# EAGLE board working (EAGLE 7.5.0), part 6 of 8 (continued)
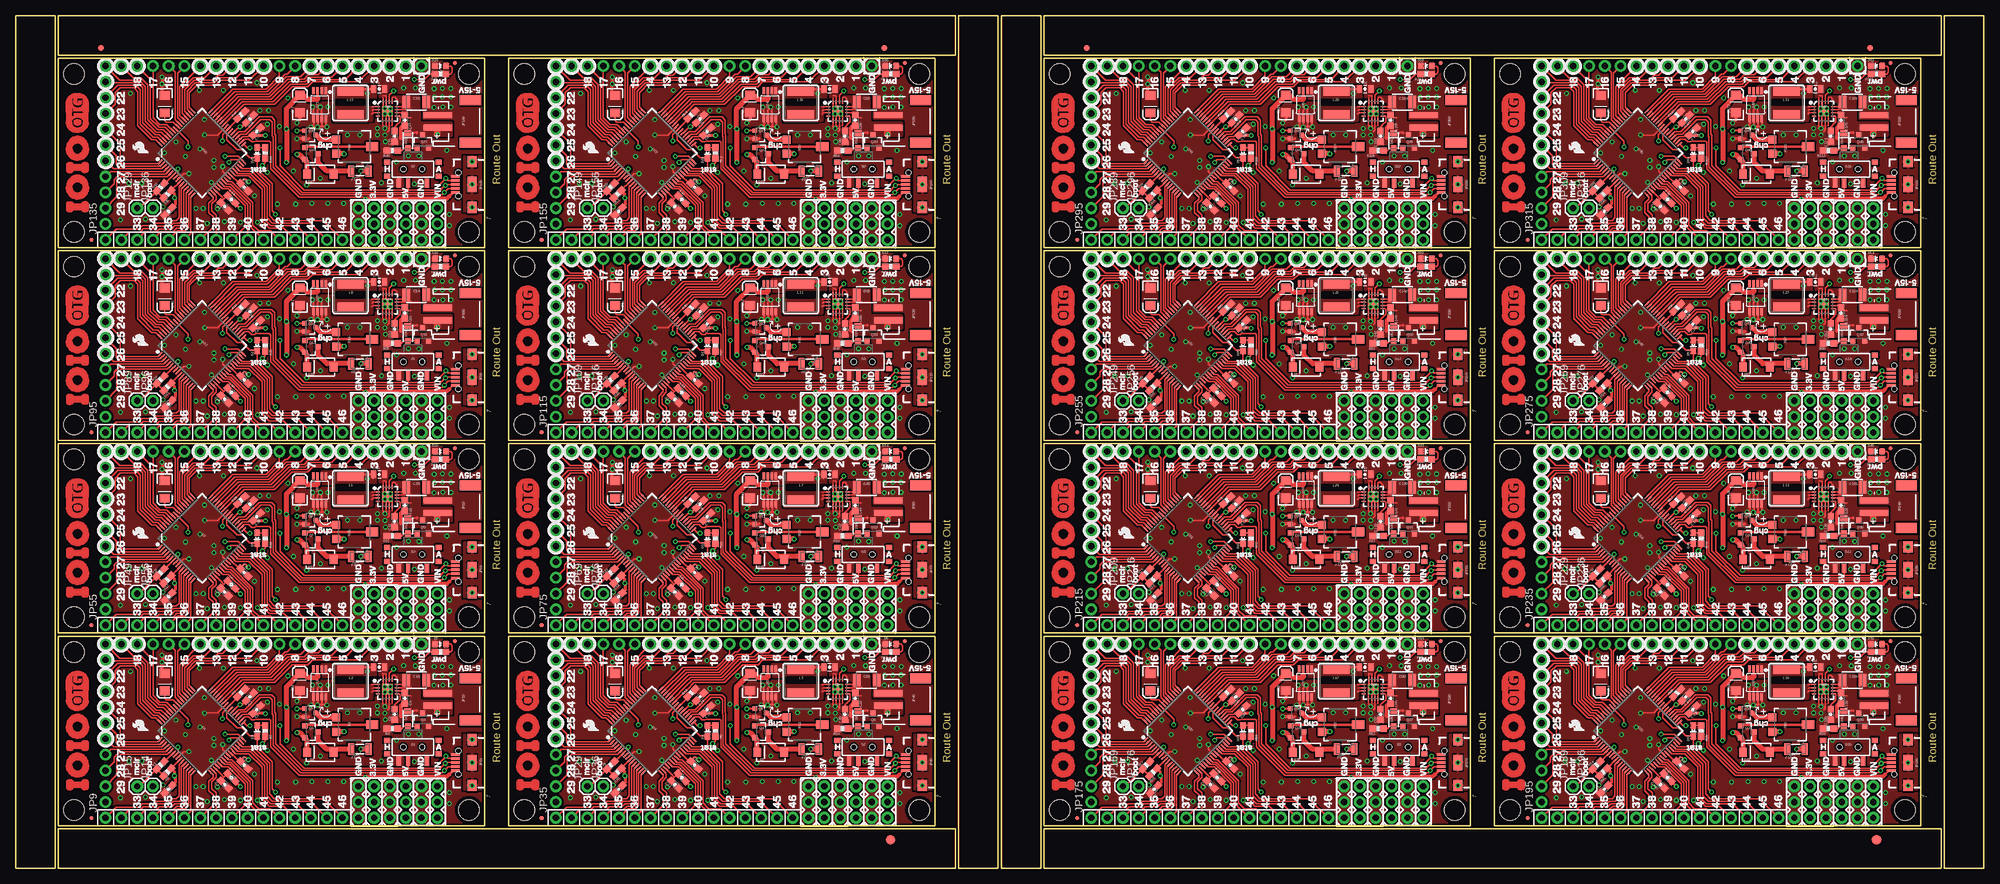
[diagram p0: board, top side]
## Tracks (layer width: path | path; a pad name or v marks a point on that pad's centre or on a via) (continued)
PIN142
  Top 0.203: U10.29 108.47,50.16 110.36,50.16 112.83,47.7 112.83,42.67 113.69,41.81 119.74,41.81 JP71.2
PIN143
  Top 0.203: U10.24 106.64,48.45 107.15,48.45 110.54,45.06 110.54,41.5 111.45,40.59 113.33,40.59 JP71.5
PIN144
  Top 0.203: U10.23 106.32,48.07 106.97,48.07 110.13,44.91 110.13,41.25 JP71.6
PIN145
  Top 0.203: U10.21 105.67,47.31 106.62,47.31 109.32,44.6 109.32,41.25 JP71.8
PIN146
  Top 0.203: U10.11 98.68,47.63 98.68,42.65 98.25,42.22 97.45,42.22 97.04,41.8 95,41.8 94.55,41.36 92.72,41.36 92.19,40.83 88.58,40.83 JP71.16
PIN147
  Top 0.203: U10.12 99.06,47.31 99.06,42.11 98.75,41.81 97.72,41.81 97.26,41.35 95.22,41.35 94.77,40.89 92.95,40.89 92.43,40.37 90.66,40.37 JP71.15
PIN148
  Top 0.203: U10.13 99.44,46.98 99.44,41.68 99.16,41.4 98.01,41.4 97.48,40.87 95.46,40.87 94.99,40.41 93.24,40.41 JP71.14
PIN149
  Top 0.203: U10.14 99.82,46.66 99.82,41.35 99.47,41 98.3,41 97.7,40.4 95.77,40.4 JP71.13
PIN150
  Top 0.203: U10.15 100.2,46.33 100.2,41.12 99.67,40.59 98.5,40.59 JP71.12
PIN151
  Top 0.203: U10.16 100.58,46.01 100.58,40.13 JP71.11
PIN152
  Top 0.203: JP72.9 114.81,65.48 112.67,63.35 107.32,63.35 U10.48
PIN153  (via drill 0.38 pad 0.64)
  Top 0.203: U10.8 98.53,49.6 v98.53,50.52
  Bottom 0.203: JP75.1 91.19,45.97 95.25,45.97 98.53,49.25 v98.53,50.52
PIN154
  Top 0.203: U10.6 96.81,49.3 89.38,49.3 88.7,48.62 88.7,46.02 JP75.2
PIN155
  Top 0.203: JP75.3 88.29,48.16 88.29,48.82 89.18,49.71 96.51,49.71 U10.5
PIN156
  Top 0.203: U10.4 96.21,50.11 87.71,50.11 JP75.4
PIN157
  Top 0.203: U10.17 104.14,46.01 104.14,45.67 103.48,45.01 103.48,43.48 104.14,42.82 104.14,41.15 JP71.10
PIN158
  Top 0.203: U10.18 104.52,46.33 104.62,46.23 104.62,45.59 103.96,44.93 103.96,43.79 104.65,43.1 JP71.9
PIN159
  Top 0.203: U10.22 105.99,47.69 106.79,47.69 109.73,44.76 JP71.7
PIN160
  Top 0.203: U10.27 107.32,49.9 107.82,49.4 109.91,49.4 112.01,47.3 112.01,42.16 113.18,41 115.47,41 JP71.4
PIN161
  Top 0.203: U10.28 108.14,49.78 110.13,49.78 112.42,47.5 112.42,42.37 113.39,41.4 117.6,41.4 JP71.3
PIN162
  Top 0.203: U10.30 108.79,50.55 110.59,50.55 113.23,47.9 113.23,42.98 114,42.22 121.87,42.22 JP71.1
PIN163
  Top 0.203: U10.47 107.62,62.94 112.88,62.94 115.72,65.79 116.08,65.79 JP72.8
PIN164
  Top 0.203: U10.59 96.43,57.25 95.45,57.25 94.08,58.62 94.08,64.92 JP72.18
PIN165
  Top 0.203: U10.58 96.73,57.66 95.61,57.66 94.49,58.78 JP72.17
PIN166
  Top 0.203: U10.3 95.91,50.52 88.16,50.52 JP75.5
PIN167
  Top 0.203: U10.2 95.61,50.93 88.92,50.93 88.59,51.26 88.59,52.63 JP75.6
PIN168
  Top 0.203: JP75.7 89.2,54.56 89.2,51.66 89.51,51.36 95.33,51.36 U10.1
PIN169
  Top 0.203: U10.64 94.92,55.22 94.31,55.22 92.05,57.48 92.05,62.94 91.44,63.55 89.2,63.55 88.39,62.74 88.39,60.96 JP75.8
PIN170
  Top 0.203: U10.63 95.23,55.63 94.55,55.63 92.46,57.72 92.46,63.25 91.75,63.96 88.85,63.96 JP75.9
PIN171
  Top 0.203: U10.62 95.53,56.03 94.82,56.03 92.86,57.99 92.86,63.55 92.05,64.36 87.02,64.36 JP75.10
PIN172
  Top 0.203: U10.61 95.83,56.44 95.02,56.44 93.27,58.19 93.27,63.76 92.26,64.77 89.15,64.77 JP75.11
PIN173
  Top 0.203: U10.60 96.13,56.84 95.26,56.84 93.67,58.43 93.67,64.03 92.53,65.18 91.29,65.18 JP72.19
PIN174
  Top 0.203: JP72.6 121.03,65.66 119.46,65.66 118.77,64.97 116.13,64.97 113.28,62.13 108.22,62.13 U10.45
PIN175
  Top 0.203: JP72.5 123.19,65.28 119.69,65.28 118.97,64.57 116.37,64.57 113.52,61.72 108.52,61.72 107.76,60.96 U10.44
PIN176
  Top 0.203: JP72.4 125.35,64.9 119.91,64.9 119.18,64.16 116.64,64.16 113.79,61.32 108.81,61.32 108.42,60.92 108.42,60.91 108.09,60.58 U10.43
PIN177
  Top 0.203: JP72.3 127.51,64.52 120.14,64.52 119.38,63.75 116.87,63.75 114.02,60.91 109.12,60.91 108.72,60.51 108.72,60.5 108.41,60.2 U10.42
PIN178
  Top 0.203: U10.55 98.04,58.47 98.04,66.04 JP72.16
PIN179
  Top 0.203: U10.54 98.42,58.79 98.42,65.91 JP72.15
PIN180
  Top 0.203: U10.53 98.81,59.12 98.81,63.75 JP72.14
PIN181
  Top 0.203: U10.51 99.57,59.77 99.57,63.22 101.11,64.77 104.14,64.77 104.95,65.58 105.72,65.58 JP72.12
PIN182
  Top 0.203: U10.50 99.95,60.09 99.95,63.02 101.3,64.36 104.34,64.36 105.16,65.18 107.85,65.18 JP72.11
PIN183
  Top 0.203: U10.49 100.33,60.42 100.33,62.8 100.88,63.35 100.89,63.35 101.5,63.96 104.55,63.96 105.36,64.77 109.98,64.77 JP72.10
PIN184
  Top 0.203: JP72.7 118.21,65.38 115.93,65.38 113.08,62.53 107.92,62.53 U10.46
PIN185  (via drill 0.38 pad 0.64)
  Top 0.203: U13.32 35.81,83.54 v33.68,83.54
  Bottom 0.203: v33.68,83.54 32.69,83.54 31.65,84.58 31.65,86.54 41.9,96.78 58.94,96.78 JP92.2
PIN186  (via drill 0.38 pad 0.64)
  Top 0.203: U13.31 35.69,82.96 34.67,82.96 v34.29,82.58
  Bottom 0.203: v34.29,82.58 34.7,82.98 34.7,83.87 34.29,84.28 32.56,84.28 32.05,84.78 32.05,86.31 42.15,96.4 61.1,96.4 JP92.1
PIN187
  Top 0.203: U13.52 26.8,90.43 26.8,94.42 28.55,96.16 30.38,96.16 JP92.13
PIN188
  Top 0.203: U13.29 36.08,81.15 37.97,81.15 40.44,78.69 40.44,73.66 41.3,72.8 47.35,72.8 JP91.2
PIN189
  Top 0.203: U13.24 34.25,79.44 34.76,79.44 38.15,76.05 38.15,72.49 39.06,71.58 40.95,71.58 JP91.5
PIN190
  Top 0.203: U13.23 33.93,79.06 34.58,79.06 37.74,75.89 37.74,72.24 JP91.6
PIN191
  Top 0.203: U13.21 33.28,78.3 34.23,78.3 36.93,75.59 36.93,72.24 JP91.8
PIN192
  Top 0.203: U13.11 26.29,78.62 26.29,73.64 25.86,73.2 25.06,73.2 24.65,72.79 22.61,72.79 22.16,72.35 20.33,72.35 19.8,71.82 16.2,71.82 JP91.16
PIN193
  Top 0.203: U13.12 26.67,78.3 26.67,73.1 26.36,72.8 25.33,72.8 24.87,72.33 22.84,72.33 22.38,71.88 20.56,71.88 20.04,71.36 18.27,71.36 JP91.15
PIN194
  Top 0.203: U13.13 27.05,77.97 27.05,72.67 26.77,72.39 25.62,72.39 25.09,71.86 23.07,71.86 22.6,71.4 20.85,71.4 JP91.14
PIN195
  Top 0.203: U13.14 27.43,77.64 27.43,72.34 27.08,71.98 25.91,71.98 25.31,71.38 23.38,71.38 JP91.13
PIN196
  Top 0.203: U13.15 27.81,77.32 27.81,72.11 27.28,71.58 26.11,71.58 JP91.12
PIN197
  Top 0.203: U13.16 28.19,76.99 28.19,71.12 JP91.11
PIN198
  Top 0.203: JP92.9 42.42,96.47 40.28,94.34 34.93,94.34 U13.48
PIN199  (via drill 0.38 pad 0.64)
  Top 0.203: U13.8 26.14,80.59 v26.14,81.51
  Bottom 0.203: JP95.1 18.8,76.96 22.86,76.96 26.14,80.24 v26.14,81.51
PIN200
  Top 0.203: U13.6 24.42,80.29 16.99,80.29 16.31,79.6 16.31,77.01 JP95.2
PIN201
  Top 0.203: JP95.3 15.9,79.15 15.9,79.81 16.79,80.7 24.12,80.7 U13.5
PIN202
  Top 0.203: U13.4 23.82,81.1 15.32,81.1 JP95.4
PIN203
  Top 0.203: U13.17 31.75,76.99 31.75,76.66 31.09,76 31.09,74.47 31.75,73.81 31.75,72.14 JP91.10
PIN204
  Top 0.203: U13.18 32.13,77.32 32.23,77.22 32.23,76.58 31.57,75.92 31.57,74.78 32.26,74.09 JP91.9
PIN205
  Top 0.203: U13.22 33.6,78.68 34.4,78.68 37.34,75.74 JP91.7
PIN206
  Top 0.203: U13.27 34.93,80.89 35.43,80.39 37.52,80.39 39.62,78.28 39.62,73.15 40.79,71.98 43.08,71.98 JP91.4
PIN207
  Top 0.203: U13.28 35.75,80.77 37.74,80.77 40.03,78.49 40.03,73.36 41,72.39 45.21,72.39 JP91.3
PIN208
  Top 0.203: U13.30 36.4,81.53 38.2,81.53 40.84,78.89 40.84,73.97 41.6,73.2 49.48,73.2 JP91.1
PIN209
  Top 0.203: U13.47 35.23,93.93 40.49,93.93 43.33,96.77 43.69,96.77 JP92.8
PIN210
  Top 0.203: U13.59 24.04,88.24 23.06,88.24 21.69,89.61 21.69,95.91 JP92.18
PIN211
  Top 0.203: U13.58 24.34,88.65 23.22,88.65 22.1,89.76 JP92.17
PIN212
  Top 0.203: U13.3 23.52,81.51 15.77,81.51 JP95.5
PIN213
  Top 0.203: U13.2 23.22,81.92 16.54,81.92 16.2,82.25 16.2,83.62 JP95.6
PIN214
  Top 0.203: JP95.7 16.82,85.55 16.82,82.65 17.12,82.35 22.94,82.35 U13.1
PIN215
  Top 0.203: U13.64 22.54,86.21 21.91,86.21 19.66,88.46 19.66,93.93 19.05,94.54 16.82,94.54 16,93.73 16,91.95 JP95.8
PIN216
  Top 0.203: U13.63 22.84,86.61 22.16,86.61 20.07,88.71 20.07,94.23 19.36,94.94 16.46,94.94 JP95.9
PIN217
  Top 0.203: U13.62 23.14,87.02 22.43,87.02 20.47,88.97 20.47,94.54 19.66,95.35 14.63,95.35 JP95.10
PIN218
  Top 0.203: U13.61 23.44,87.43 22.63,87.43 20.88,89.17 20.88,94.75 19.87,95.76 16.76,95.76 JP95.11
PIN219
  Top 0.203: U13.60 23.74,87.83 22.87,87.83 21.29,89.41 21.29,95.02 20.14,96.16 18.9,96.16 JP92.19
PIN220
  Top 0.203: JP92.6 48.64,96.65 47.07,96.65 46.38,95.96 43.74,95.96 40.89,93.12 35.83,93.12 U13.45
PIN221
  Top 0.203: JP92.5 50.8,96.27 47.3,96.27 46.58,95.56 43.98,95.56 41.13,92.71 36.13,92.71 35.37,91.95 U13.44
PIN222
  Top 0.203: JP92.4 52.96,95.89 47.52,95.89 46.79,95.15 44.25,95.15 41.4,92.3 36.42,92.3 36.03,91.91 36.03,91.9 35.7,91.57 U13.43
PIN223
  Top 0.203: JP92.3 55.12,95.5 47.75,95.5 46.99,94.74 44.48,94.74 41.63,91.9 36.73,91.9 36.33,91.5 36.33,91.49 36.02,91.19 U13.42
PIN224
  Top 0.203: U13.55 25.65,89.45 25.65,97.03 JP92.16
PIN225
  Top 0.203: U13.54 26.04,89.78 26.04,96.9 JP92.15
PIN226
  Top 0.203: U13.53 26.42,90.11 26.42,94.74 JP92.14
PIN227
  Top 0.203: U13.51 27.18,90.76 27.18,94.21 28.72,95.76 31.75,95.76 32.56,96.57 33.33,96.57 JP92.12
PIN228
  Top 0.203: U13.50 27.56,91.08 27.56,94 28.91,95.35 31.95,95.35 32.77,96.16 35.46,96.16 JP92.11
PIN229
  Top 0.203: U13.49 27.94,91.41 27.94,93.79 28.49,94.34 28.5,94.34 29.11,94.94 32.16,94.94 32.97,95.76 37.59,95.76 JP92.10
PIN230
  Top 0.203: JP92.7 45.82,96.37 43.54,96.37 40.69,93.52 35.53,93.52 U13.46
PIN231  (via drill 0.38 pad 0.64)
  Top 0.203: U16.32 108.2,83.54 v106.07,83.54
  Bottom 0.203: v106.07,83.54 105.08,83.54 104.04,84.58 104.04,86.54 114.28,96.78 131.33,96.78 JP112.2
PIN232  (via drill 0.38 pad 0.64)
  Top 0.203: U16.31 108.08,82.96 107.06,82.96 v106.68,82.58
  Bottom 0.203: v106.68,82.58 107.09,82.98 107.09,83.87 106.68,84.28 104.95,84.28 104.44,84.78 104.44,86.31 114.54,96.4 133.49,96.4 JP112.1
PIN233
  Top 0.203: U16.52 99.19,90.43 99.19,94.42 100.94,96.16 102.77,96.16 JP112.13
PIN234
  Top 0.203: U16.29 108.47,81.15 110.36,81.15 112.83,78.69 112.83,73.66 113.69,72.8 119.74,72.8 JP111.2
PIN235
  Top 0.203: U16.24 106.64,79.44 107.15,79.44 110.54,76.05 110.54,72.49 111.45,71.58 113.33,71.58 JP111.5
PIN236
  Top 0.203: U16.23 106.32,79.06 106.97,79.06 110.13,75.89 110.13,72.24 JP111.6
PIN237
  Top 0.203: U16.21 105.67,78.3 106.62,78.3 109.32,75.59 109.32,72.24 JP111.8
PIN238
  Top 0.203: U16.11 98.68,78.62 98.68,73.64 98.25,73.2 97.45,73.2 97.04,72.79 95,72.79 94.55,72.35 92.72,72.35 92.19,71.82 88.58,71.82 JP111.16
PIN239
  Top 0.203: U16.12 99.06,78.3 99.06,73.1 98.75,72.8 97.72,72.8 97.26,72.33 95.22,72.33 94.77,71.88 92.95,71.88 92.43,71.36 90.66,71.36 JP111.15
PIN240
  Top 0.203: U16.13 99.44,77.97 99.44,72.67 99.16,72.39 98.01,72.39 97.48,71.86 95.46,71.86 94.99,71.4 93.24,71.4 JP111.14
PIN241
  Top 0.203: U16.14 99.82,77.64 99.82,72.34 99.47,71.98 98.3,71.98 97.7,71.38 95.77,71.38 JP111.13
PIN242
  Top 0.203: U16.15 100.2,77.32 100.2,72.11 99.67,71.58 98.5,71.58 JP111.12
PIN243
  Top 0.203: U16.16 100.58,76.99 100.58,71.12 JP111.11
PIN244
  Top 0.203: JP112.9 114.81,96.47 112.67,94.34 107.32,94.34 U16.48
PIN245  (via drill 0.38 pad 0.64)
  Top 0.203: U16.8 98.53,80.59 v98.53,81.51
  Bottom 0.203: JP115.1 91.19,76.96 95.25,76.96 98.53,80.24 v98.53,81.51
PIN246
  Top 0.203: U16.6 96.81,80.29 89.38,80.29 88.7,79.6 88.7,77.01 JP115.2
PIN247
  Top 0.203: JP115.3 88.29,79.15 88.29,79.81 89.18,80.7 96.51,80.7 U16.5
PIN248
  Top 0.203: U16.4 96.21,81.1 87.71,81.1 JP115.4
PIN249
  Top 0.203: U16.17 104.14,76.99 104.14,76.66 103.48,76 103.48,74.47 104.14,73.81 104.14,72.14 JP111.10
PIN250
  Top 0.203: U16.18 104.52,77.32 104.62,77.22 104.62,76.58 103.96,75.92 103.96,74.78 104.65,74.09 JP111.9
PIN251
  Top 0.203: U16.22 105.99,78.68 106.79,78.68 109.73,75.74 JP111.7
PIN252
  Top 0.203: U16.27 107.32,80.89 107.82,80.39 109.91,80.39 112.01,78.28 112.01,73.15 113.18,71.98 115.47,71.98 JP111.4
PIN253
  Top 0.203: U16.28 108.14,80.77 110.13,80.77 112.42,78.49 112.42,73.36 113.39,72.39 117.6,72.39 JP111.3
PIN254
  Top 0.203: U16.30 108.79,81.53 110.59,81.53 113.23,78.89 113.23,73.97 114,73.2 121.87,73.2 JP111.1
PIN255
  Top 0.203: U16.47 107.62,93.93 112.88,93.93 115.72,96.77 116.08,96.77 JP112.8
PIN256
  Top 0.203: U16.59 96.43,88.24 95.45,88.24 94.08,89.61 94.08,95.91 JP112.18
PIN257
  Top 0.203: U16.58 96.73,88.65 95.61,88.65 94.49,89.76 JP112.17
PIN258
  Top 0.203: U16.3 95.91,81.51 88.16,81.51 JP115.5
PIN259
  Top 0.203: U16.2 95.61,81.92 88.92,81.92 88.59,82.25 88.59,83.62 JP115.6
PIN260
  Top 0.203: JP115.7 89.2,85.55 89.2,82.65 89.51,82.35 95.33,82.35 U16.1
PIN261
  Top 0.203: U16.64 94.92,86.21 94.31,86.21 92.05,88.46 92.05,93.93 91.44,94.54 89.2,94.54 88.39,93.73 88.39,91.95 JP115.8
PIN262
  Top 0.203: U16.63 95.23,86.61 94.55,86.61 92.46,88.71 92.46,94.23 91.75,94.94 88.85,94.94 JP115.9
PIN263
  Top 0.203: U16.62 95.53,87.02 94.82,87.02 92.86,88.97 92.86,94.54 92.05,95.35 87.02,95.35 JP115.10
PIN264
  Top 0.203: U16.61 95.83,87.43 95.02,87.43 93.27,89.17 93.27,94.75 92.26,95.76 89.15,95.76 JP115.11
PIN265
  Top 0.203: U16.60 96.13,87.83 95.26,87.83 93.67,89.41 93.67,95.02 92.53,96.16 91.29,96.16 JP112.19
PIN266
  Top 0.203: JP112.6 121.03,96.65 119.46,96.65 118.77,95.96 116.13,95.96 113.28,93.12 108.22,93.12 U16.45
PIN267
  Top 0.203: JP112.5 123.19,96.27 119.69,96.27 118.97,95.56 116.37,95.56 113.52,92.71 108.52,92.71 107.76,91.95 U16.44
PIN268
  Top 0.203: JP112.4 125.35,95.89 119.91,95.89 119.18,95.15 116.64,95.15 113.79,92.3 108.81,92.3 108.42,91.91 108.42,91.9 108.09,91.57 U16.43
PIN269
  Top 0.203: JP112.3 127.51,95.5 120.14,95.5 119.38,94.74 116.87,94.74 114.02,91.9 109.12,91.9 108.72,91.5 108.72,91.49 108.41,91.19 U16.42
PIN270
  Top 0.203: U16.55 98.04,89.45 98.04,97.03 JP112.16
PIN271
  Top 0.203: U16.54 98.42,89.78 98.42,96.9 JP112.15
PIN272
  Top 0.203: U16.53 98.81,90.11 98.81,94.74 JP112.14
PIN273
  Top 0.203: U16.51 99.57,90.76 99.57,94.21 101.11,95.76 104.14,95.76 104.95,96.57 105.72,96.57 JP112.12
PIN274
  Top 0.203: U16.50 99.95,91.08 99.95,94 101.3,95.35 104.34,95.35 105.16,96.16 107.85,96.16 JP112.11
PIN275
  Top 0.203: U16.49 100.33,91.41 100.33,93.79 100.88,94.34 100.89,94.34 101.5,94.94 104.55,94.94 105.36,95.76 109.98,95.76 JP112.10
PIN276
  Top 0.203: JP112.7 118.21,96.37 115.93,96.37 113.08,93.52 107.92,93.52 U16.46
PIN277  (via drill 0.38 pad 0.64)
  Top 0.203: U19.32 35.81,114.53 v33.68,114.53
  Bottom 0.203: v33.68,114.53 32.69,114.53 31.65,115.57 31.65,117.53 41.9,127.77 58.94,127.77 JP132.2
PIN278  (via drill 0.38 pad 0.64)
  Top 0.203: U19.31 35.69,113.94 34.67,113.94 v34.29,113.56
  Bottom 0.203: v34.29,113.56 34.7,113.97 34.7,114.86 34.29,115.27 32.56,115.27 32.05,115.77 32.05,117.3 42.15,127.39 61.1,127.39 JP132.1
PIN279
  Top 0.203: U19.52 26.8,121.42 26.8,125.4 28.55,127.15 30.38,127.15 JP132.13
PIN280
  Top 0.203: U19.29 36.08,112.14 37.97,112.14 40.44,109.68 40.44,104.65 41.3,103.78 47.35,103.78 JP131.2
PIN281
  Top 0.203: U19.24 34.25,110.43 34.76,110.43 38.15,107.04 38.15,103.48 39.06,102.56 40.95,102.56 JP131.5
PIN282
  Top 0.203: U19.23 33.93,110.05 34.58,110.05 37.74,106.88 37.74,103.23 JP131.6
PIN283
  Top 0.203: U19.21 33.28,109.28 34.23,109.28 36.93,106.58 36.93,103.23 JP131.8
PIN284
  Top 0.203: U19.11 26.29,109.61 26.29,104.62 25.86,104.19 25.06,104.19 24.65,103.78 22.61,103.78 22.16,103.33 20.33,103.33 19.8,102.81 16.2,102.81 JP131.16
PIN285
  Top 0.203: U19.12 26.67,109.28 26.67,104.09 26.36,103.78 25.33,103.78 24.87,103.32 22.84,103.32 22.38,102.86 20.56,102.86 20.04,102.34 18.27,102.34 JP131.15
PIN286
  Top 0.203: U19.13 27.05,108.96 27.05,103.66 26.77,103.38 25.62,103.38 25.09,102.85 23.07,102.85 22.6,102.39 20.85,102.39 JP131.14
PIN287
  Top 0.203: U19.14 27.43,108.63 27.43,103.33 27.08,102.97 25.91,102.97 25.31,102.37 23.38,102.37 JP131.13
PIN288
  Top 0.203: U19.15 27.81,108.31 27.81,103.1 27.28,102.56 26.11,102.56 JP131.12
PIN289
  Top 0.203: U19.16 28.19,107.98 28.19,102.11 JP131.11
PIN290
  Top 0.203: JP132.9 42.42,127.46 40.28,125.32 34.93,125.32 U19.48
PIN291  (via drill 0.38 pad 0.64)
  Top 0.203: U19.8 26.14,111.58 v26.14,112.5
  Bottom 0.203: JP135.1 18.8,107.95 22.86,107.95 26.14,111.23 v26.14,112.5
PIN292
  Top 0.203: U19.6 24.42,111.28 16.99,111.28 16.31,110.59 16.31,108 JP135.2
PIN293
  Top 0.203: JP135.3 15.9,110.13 15.9,110.8 16.79,111.68 24.12,111.68 U19.5
PIN294
  Top 0.203: U19.4 23.82,112.09 15.32,112.09 JP135.4
PIN295
  Top 0.203: U19.17 31.75,107.98 31.75,107.64 31.09,106.98 31.09,105.46 31.75,104.8 31.75,103.12 JP131.10
PIN296
  Top 0.203: U19.18 32.13,108.31 32.23,108.2 32.23,107.57 31.57,106.91 31.57,105.77 32.26,105.08 JP131.9
PIN297
  Top 0.203: U19.22 33.6,109.67 34.4,109.67 37.34,106.73 JP131.7
PIN298
  Top 0.203: U19.27 34.93,111.88 35.43,111.38 37.52,111.38 39.62,109.27 39.62,104.14 40.79,102.97 43.08,102.97 JP131.4
PIN299
  Top 0.203: U19.28 35.75,111.76 37.74,111.76 40.03,109.47 40.03,104.34 41,103.38 45.21,103.38 JP131.3
PIN300
  Top 0.203: U19.30 36.4,112.52 38.2,112.52 40.84,109.88 40.84,104.95 41.6,104.19 49.48,104.19 JP131.1
PIN301
  Top 0.203: U19.47 35.23,124.92 40.49,124.92 43.33,127.76 43.69,127.76 JP132.8
PIN302
  Top 0.203: U19.59 24.04,119.23 23.06,119.23 21.69,120.59 21.69,126.9 JP132.18
PIN303
  Top 0.203: U19.58 24.34,119.63 23.22,119.63 22.1,120.75 JP132.17
PIN304
  Top 0.203: U19.3 23.52,112.5 15.77,112.5 JP135.5
PIN305
  Top 0.203: U19.2 23.22,112.9 16.54,112.9 16.2,113.23 16.2,114.61 JP135.6
PIN306
  Top 0.203: JP135.7 16.82,116.53 16.82,113.64 17.12,113.33 22.94,113.33 U19.1
PIN307
  Top 0.203: U19.64 22.54,117.2 21.91,117.2 19.66,119.45 19.66,124.92 19.05,125.53 16.82,125.53 16,124.71 16,122.94 JP135.8
PIN308
  Top 0.203: U19.63 22.84,117.6 22.16,117.6 20.07,119.69 20.07,125.22 19.36,125.93 16.46,125.93 JP135.9
PIN309
  Top 0.203: U19.62 23.14,118.01 22.43,118.01 20.47,119.96 20.47,125.53 19.66,126.34 14.63,126.34 JP135.10
PIN310
  Top 0.203: U19.61 23.44,118.42 22.63,118.42 20.88,120.16 20.88,125.74 19.87,126.75 16.76,126.75 JP135.11
PIN311
  Top 0.203: U19.60 23.74,118.82 22.87,118.82 21.29,120.4 21.29,126 20.14,127.15 18.9,127.15 JP132.19
PIN312
  Top 0.203: JP132.6 48.64,127.64 47.07,127.64 46.38,126.95 43.74,126.95 40.89,124.1 35.83,124.1 U19.45
PIN313
  Top 0.203: JP132.5 50.8,127.25 47.3,127.25 46.58,126.54 43.98,126.54 41.13,123.7 36.13,123.7 35.37,122.94 U19.44
PIN314
  Top 0.203: JP132.4 52.96,126.87 47.52,126.87 46.79,126.14 44.25,126.14 41.4,123.29 36.42,123.29 36.03,122.89 35.7,122.56 U19.43
PIN315
  Top 0.203: JP132.3 55.12,126.49 47.75,126.49 46.99,125.73 44.48,125.73 41.63,122.89 36.73,122.89 36.33,122.48 36.02,122.17 U19.42
PIN316
  Top 0.203: U19.55 25.65,120.44 25.65,128.02 JP132.16
PIN317
  Top 0.203: U19.54 26.04,120.77 26.04,127.89 JP132.15
PIN318
  Top 0.203: U19.53 26.42,121.09 26.42,125.73 JP132.14
PIN319
  Top 0.203: U19.51 27.18,121.75 27.18,125.2 28.72,126.75 31.75,126.75 32.56,127.56 33.33,127.56 JP132.12
PIN320
  Top 0.203: U19.50 27.56,122.07 27.56,124.99 28.91,126.34 31.95,126.34 32.77,127.15 35.46,127.15 JP132.11
PIN321
  Top 0.203: U19.49 27.94,122.4 27.94,124.77 28.49,125.32 28.5,125.32 29.11,125.93 32.16,125.93 32.97,126.75 37.59,126.75 JP132.10
PIN322
  Top 0.203: JP132.7 45.82,127.36 43.54,127.36 40.69,124.51 35.53,124.51 U19.46
PIN323  (via drill 0.38 pad 0.64)
  Top 0.203: U22.32 108.2,114.53 v106.07,114.53
  Bottom 0.203: v106.07,114.53 105.08,114.53 104.04,115.57 104.04,117.53 114.28,127.77 131.33,127.77 JP152.2
PIN324  (via drill 0.38 pad 0.64)
  Top 0.203: U22.31 108.08,113.94 107.06,113.94 v106.68,113.56
  Bottom 0.203: v106.68,113.56 107.09,113.97 107.09,114.86 106.68,115.27 104.95,115.27 104.44,115.77 104.44,117.3 114.54,127.39 133.49,127.39 JP152.1
PIN325
  Top 0.203: U22.52 99.19,121.42 99.19,125.4 100.94,127.15 102.77,127.15 JP152.13
PIN326
  Top 0.203: U22.29 108.47,112.14 110.36,112.14 112.83,109.68 112.83,104.65 113.69,103.78 119.74,103.78 JP151.2
PIN327
  Top 0.203: U22.24 106.64,110.43 107.15,110.43 110.54,107.04 110.54,103.48 111.45,102.56 113.33,102.56 JP151.5
PIN328
  Top 0.203: U22.23 106.32,110.05 106.97,110.05 110.13,106.88 110.13,103.23 JP151.6
PIN329
  Top 0.203: U22.21 105.67,109.28 106.62,109.28 109.32,106.58 109.32,103.23 JP151.8
PIN330
  Top 0.203: U22.11 98.68,109.61 98.68,104.62 98.25,104.19 97.45,104.19 97.04,103.78 95,103.78 94.55,103.33 92.72,103.33 92.19,102.81 88.58,102.81 JP151.16
PIN331
  Top 0.203: U22.12 99.06,109.28 99.06,104.09 98.75,103.78 97.72,103.78 97.26,103.32 95.22,103.32 94.77,102.86 92.95,102.86 92.43,102.34 90.66,102.34 JP151.15
PIN332
  Top 0.203: U22.13 99.44,108.96 99.44,103.66 99.16,103.38 98.01,103.38 97.48,102.85 95.46,102.85 94.99,102.39 93.24,102.39 JP151.14
PIN333
  Top 0.203: U22.14 99.82,108.63 99.82,103.33 99.47,102.97 98.3,102.97 97.7,102.37 95.77,102.37 JP151.13
PIN334
  Top 0.203: U22.15 100.2,108.31 100.2,103.1 99.67,102.56 98.5,102.56 JP151.12
PIN335
  Top 0.203: U22.16 100.58,107.98 100.58,102.11 JP151.11
PIN336
  Top 0.203: JP152.9 114.81,127.46 112.67,125.32 107.32,125.32 U22.48
PIN337  (via drill 0.38 pad 0.64)
  Top 0.203: U22.8 98.53,111.58 v98.53,112.5
  Bottom 0.203: JP155.1 91.19,107.95 95.25,107.95 98.53,111.23 v98.53,112.5
PIN338
  Top 0.203: U22.6 96.81,111.28 89.38,111.28 88.7,110.59 88.7,108 JP155.2
PIN339
  Top 0.203: JP155.3 88.29,110.13 88.29,110.8 89.18,111.68 96.51,111.68 U22.5
PIN340
  Top 0.203: U22.4 96.21,112.09 87.71,112.09 JP155.4
PIN341
  Top 0.203: U22.17 104.14,107.98 104.14,107.64 103.48,106.98 103.48,105.46 104.14,104.8 104.14,103.12 JP151.10
PIN342
  Top 0.203: U22.18 104.52,108.31 104.62,108.2 104.62,107.57 103.96,106.91 103.96,105.77 104.65,105.08 JP151.9
PIN343
  Top 0.203: U22.22 105.99,109.67 106.79,109.67 109.73,106.73 JP151.7
PIN344
  Top 0.203: U22.27 107.32,111.88 107.82,111.38 109.91,111.38 112.01,109.27 112.01,104.14 113.18,102.97 115.47,102.97 JP151.4
PIN345
  Top 0.203: U22.28 108.14,111.76 110.13,111.76 112.42,109.47 112.42,104.34 113.39,103.38 117.6,103.38 JP151.3
PIN346
  Top 0.203: U22.30 108.79,112.52 110.59,112.52 113.23,109.88 113.23,104.95 114,104.19 121.87,104.19 JP151.1
PIN347
  Top 0.203: U22.47 107.62,124.92 112.88,124.92 115.72,127.76 116.08,127.76 JP152.8
PIN348
  Top 0.203: U22.59 96.43,119.23 95.45,119.23 94.08,120.59 94.08,126.9 JP152.18
PIN349
  Top 0.203: U22.58 96.73,119.63 95.61,119.63 94.49,120.75 JP152.17
PIN350
  Top 0.203: U22.3 95.91,112.5 88.16,112.5 JP155.5
PIN351
  Top 0.203: U22.2 95.61,112.9 88.92,112.9 88.59,113.23 88.59,114.61 JP155.6
PIN352
  Top 0.203: JP155.7 89.2,116.53 89.2,113.64 89.51,113.33 95.33,113.33 U22.1
PIN353
  Top 0.203: U22.64 94.92,117.2 94.31,117.2 92.05,119.45 92.05,124.92 91.44,125.53 89.2,125.53 88.39,124.71 88.39,122.94 JP155.8
PIN354
  Top 0.203: U22.63 95.23,117.6 94.55,117.6 92.46,119.69 92.46,125.22 91.75,125.93 88.85,125.93 JP155.9
PIN355
  Top 0.203: U22.62 95.53,118.01 94.82,118.01 92.86,119.96 92.86,125.53 92.05,126.34 87.02,126.34 JP155.10
PIN356
  Top 0.203: U22.61 95.83,118.42 95.02,118.42 93.27,120.16 93.27,125.74 92.26,126.75 89.15,126.75 JP155.11
PIN357
  Top 0.203: U22.60 96.13,118.82 95.26,118.82 93.67,120.4 93.67,126 92.53,127.15 91.29,127.15 JP152.19
PIN358
  Top 0.203: JP152.6 121.03,127.64 119.46,127.64 118.77,126.95 116.13,126.95 113.28,124.1 108.22,124.1 U22.45
PIN359
  Top 0.203: JP152.5 123.19,127.25 119.69,127.25 118.97,126.54 116.37,126.54 113.52,123.7 108.52,123.7 107.76,122.94 U22.44
PIN360
  Top 0.203: JP152.4 125.35,126.87 119.91,126.87 119.18,126.14 116.64,126.14 113.79,123.29 108.81,123.29 108.42,122.89 108.09,122.56 U22.43
PIN361
  Top 0.203: JP152.3 127.51,126.49 120.14,126.49 119.38,125.73 116.87,125.73 114.02,122.89 109.12,122.89 108.72,122.48 108.41,122.17 U22.42
PIN362
  Top 0.203: U22.55 98.04,120.44 98.04,128.02 JP152.16
PIN363
  Top 0.203: U22.54 98.42,120.77 98.42,127.89 JP152.15
PIN364
  Top 0.203: U22.53 98.81,121.09 98.81,125.73 JP152.14
PIN365
  Top 0.203: U22.51 99.57,121.75 99.57,125.2 101.11,126.75 104.14,126.75 104.95,127.56 105.72,127.56 JP152.12
PIN366
  Top 0.203: U22.50 99.95,122.07 99.95,124.99 101.3,126.34 104.34,126.34 105.16,127.15 107.85,127.15 JP152.11
PIN367
  Top 0.203: U22.49 100.33,122.4 100.33,124.77 100.88,125.32 100.89,125.32 101.5,125.93 104.55,125.93 105.36,126.75 109.98,126.75 JP152.10
PIN368
  Top 0.203: JP152.7 118.21,127.36 115.93,127.36 113.08,124.51 107.92,124.51 U22.46
PIN369  (via drill 0.38 pad 0.64)
  Top 0.203: U25.32 194.31,21.57 v192.18,21.57
  Bottom 0.203: v192.18,21.57 191.19,21.57 190.14,22.61 190.14,24.56 200.39,34.81 217.43,34.81 JP172.2
PIN370  (via drill 0.38 pad 0.64)
  Top 0.203: U25.31 194.18,20.98 193.17,20.98 v192.79,20.6
  Bottom 0.203: v192.79,20.6 193.19,21.01 193.19,21.89 192.79,22.3 191.06,22.3 190.55,22.81 190.55,24.33 200.65,34.43 219.59,34.43 JP172.1
PIN371
  Top 0.203: U25.52 185.29,28.45 185.29,32.44 187.04,34.19 188.87,34.19 JP172.13
PIN372
  Top 0.203: U25.29 194.57,19.18 196.47,19.18 198.93,16.71 198.93,11.68 199.8,10.82 205.84,10.82 JP171.2
PIN373
  Top 0.203: U25.24 192.75,17.46 193.26,17.46 196.65,14.07 196.65,10.52 197.56,9.6 199.44,9.6 JP171.5
PIN374
  Top 0.203: U25.23 192.42,17.08 193.08,17.08 196.24,13.92 196.24,10.26 JP171.6
PIN375
  Top 0.203: U25.21 191.77,16.32 192.72,16.32 195.43,13.61 195.43,10.26 JP171.8
PIN376
  Top 0.203: U25.11 184.78,16.65 184.78,11.66 184.35,11.23 183.56,11.23 183.15,10.81 181.1,10.81 180.66,10.37 178.82,10.37 178.3,9.85 174.69,9.85 JP171.16
PIN377